# Allegro board FEMA_B40_V0P2.brd (continued)
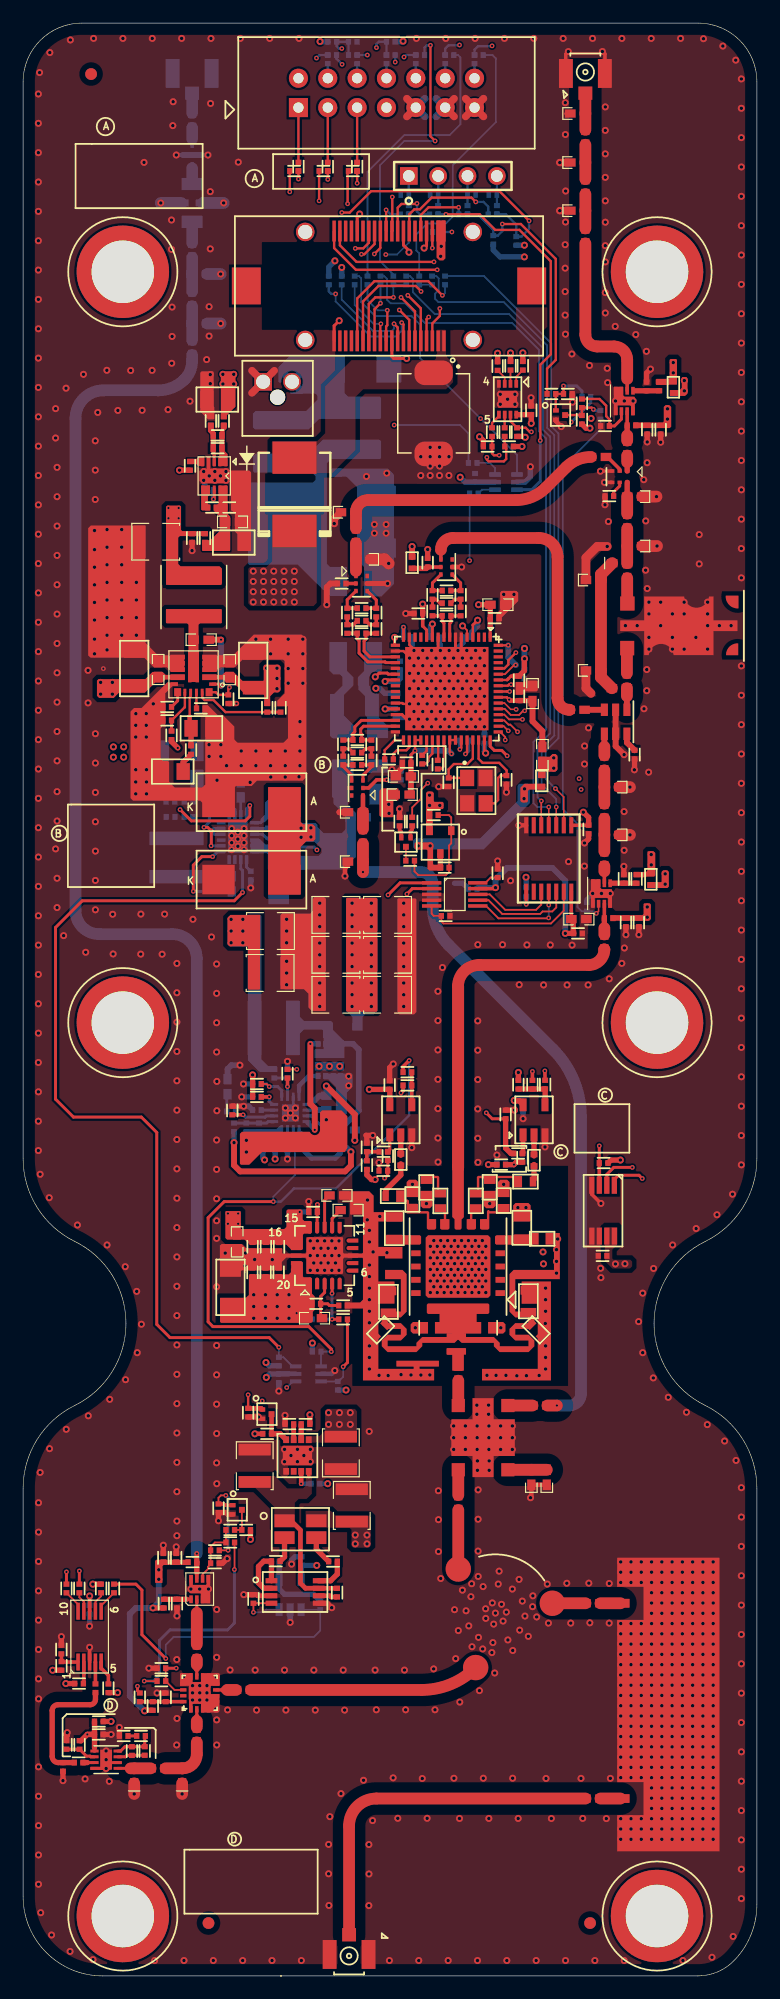
[diagram p0: board, top side]
## Nets (continued)
N6014849: R125.3 R127.1

Pads without a net: J1 17 18 19 26 35 37 38 PC1 PC2 PC3 PC4; J3 2 7; MH1 1; MH2 1; MH3 1; MH4 1; MH5 1; MH6 1; T1 6; T2 6; T3 6; U19 2 3 13 14 24 26 61 62 63; U22 15; U30 2 3; U48 2 5 6 7 9 10 11; U70 1 2 3 4 12 13 14 15; U71 6; U84 6 9

## Via types
v1: diameter 0.406, hole 0.203, TOP to BOTTOM, 158 vias
v2: diameter 0.61, hole 0.305, TOP to BOTTOM, 1490 vias

## Routing (per net, layer and track width the routed paths; a pad name or vN(x,y) marks a point on that pad's centre or on a via; arc(x,y) is an arc through that point)
1.8V_PGOOD: length 75.8
  TOP w0.254: v1(22.13,54.4) 21.29,55.24 12.71,55.24 11.57,56.38 11.57,72.99 10.23,74.33 4.35,74.33 2.81,75.88 2.81,90.73 5.12,93.04 18.27,93.04 v1(18.99,93.76)
  BOTTOM w0.152: U80.6 23.32,52.75 22.52,53.54 R23.2 v1(22.13,54.4)
  BOTTOM w0.254: v1(18.99,93.76) 18.99,95.66 18.83,95.82 U13.18
1V8V_ENABLE: length 62.3
  TOP w0.203: J1.33 30.41,149.88 29.53,149 v1(29.28,149)
  L3-SIG1 w0.203: v1(25.42,97.44) 27.48,99.5 27.48,122.78 26.2,124.05 26.2,126.87 27.45,128.12 27.45,141.1 28.19,141.84 28.19,149.78 28.49,150.09 28.92,150.09 29.28,149.73 v1(29.28,149)
  BOTTOM w0.254: R12.1 25.17,97.69 v1(25.42,97.44)
5V_LDO_EN: length 2.7
  TOP w0.254: U48.14 25.44,66.09 R217.1
  TOP w0.394: v1(25.47,66.75) R217.1
  BOTTOM w0.254: R217.1 v1(25.47,66.75)
5V_LDO_PG: length 7.2
  TOP w0.254: v1(27.7,52.72) 28.07,53.09 R220.2
  BOTTOM w0.152: U80.3 R21.2 27.3,51.45 27.7,51.85 v1(27.7,52.72)
12V_DCDC_PGOOD: length 2.4
  TOP w0.203: v1(17.86,111.51) 17.76,111.41 R210.2 16.9,110.86 16.67,111.09 U47.18
28V_VDS_ENABLE: length 77.1
  TOP w0.152: R18.1 v1(23.68,78.45)
  TOP w0.203: v1(28.75,149.5) 29.43,149.5 29.91,149.99 J1.34
  L3-SIG1 w0.203: v1(23.68,78.45) 23.68,93.79 28.75,98.85 28.75,107.77 27.88,108.63 27.88,140.92 28.75,141.79 v1(28.75,149.5)
GND: length 202.4
  TOP w0.203: 36.45,111.62 36.34,111.51 ; U19.27 32.81,110.15 32.88,110.08 v2(33.44,110.08) ; U19.18 32.92,114.65 33.44,114.13 v2(33.44,114.05) ; v2(33.82,114.71) 33.82,114.8 33.43,115.2 33.43,115.84 U19.15
  TOP w0.254: J1.20 26.91,142.8 v2(27.36,143.25) ; 37.42,112.15 U19.65 35.92,112.15 U19.10 ; 37.42,112.15 U19.7 ; 37.42,112.15 37.92,112.65 U19.6 ; 32.21,113.15 U19.21 ; v2(33.44,108.76) 33.18,108.76 32.79,109.15 U19.29 ; J1.28 32.91,149.78 33.39,149.31 v2(33.39,149.17) ; J1.36 28.91,152.21 29.12,152.42 v2(29.12,152.48) ; R297.2 v2(30.8,70.39) ; v2(33.19,139.98) 32.07,139.98 31.91,140.14 J1.10 ; v2(34.7,149.53) 34.91,149.74 J1.24
  TOP w0.305: U78.3 v2(5.76,28.44) ; v2(47.18,166.54) 46.96,166.32 46.96,164.64 ; v2(50.13,166.54) 50.35,166.32 50.35,164.64 ; 33.37,110.15 v2(33.44,110.08) ; U82.4 49.21,67.64 v2(50,66.85) ; v2(49.96,130.22) 49.97,130.23 U29.3 ; 33.75,114.66 v2(33.82,114.71) ; U29.4 v2(50.31,129.25)
  TOP w0.381: 47.03,161.16 47.04,161.18 D4.1 ; Q2.2 46.11,134.55 46.57,134.08 v2(46.57,134.08) ; U84.7 v2(42.91,99.58)
  TOP w0.394: R217.2 v2(24.72,67.02) ; R59.2 R58.2 43.98,41.45 v2(43.91,41.38) ; 17.55,40.09 17.71,39.94 Q3.2 ; v2(27.85,95.18) 27.85,95.86 28.11,96.11 R107.1 ; T1.5 v2(37.95,121.93)
  TOP w0.406: U72.3 20.31,32.9 20.21,33 R132.2
  TOP w0.457: R72.2 v2(3.31,29.36) ; C122.2 v2(13.25,37.13) ; v2(17.66,36.11) 17.26,35.71 C128.2 ; C50.2 19.08,75.27 v2(19.09,75.26) ; C54.2 53.95,138.72 v2(54.29,139.06) ; C147.2 v2(33.11,117.91) ; v2(47.55,136.2) 47.55,136.6 47.52,136.63 R41.2 ; R132.2 v2(19.1,33) ; C260.1 v2(8.33,21.5) ; C169.2 v2(41.07,96.49) ; C91.2 43.96,135.89 v2(43.96,136.58) ; R53.2 52.92,104.4 v2(52.9,104.38) ; C56.2 v2(55.17,132.73) ; C261.1 v2(7.62,20.9) ; v2(30.26,72.74) 29.68,72.75 29.75,72.67 R274.2 ; C101.2 v2(11.59,24.48) ; C63.2 v2(52.17,90.11) ; C250.2 31.72,78.61 32.03,78.92 v2(32.03,78.92) ; R122.1 v2(32.58,100.99) ; v2(35.96,102.92) 35.97,102.93 C140.1 ; C242.2 v2(14.62,123.34) ; C55.2 v2(54.01,132.75) ; U86.3 v2(33.63,71.68) ; T3.5 v2(31.54,120.5) ; v2(48.58,98.04) 48.94,98.4 C179.2 ; C148.2 32.26,104.02 32.81,104.58 C149.2 ; C139.2 v2(35.01,123.45) ; v2(26.71,31.86) 26.32,32.25 U72.5 ; C62.2 v2(53.29,90.11) ; 17.55,40.09 R104.2 v2(16.91,39.39) ; C144.1 v2(41.82,102.44) ; R295.2 v2(42.53,74.93) ; R97.2 v2(10.88,26.63) ; R35.2 v2(50.35,127.31) ; v2(3.82,21.05) 3.69,20.92 3.82,20.8 3.75,20.73 R308.1 ; C277.2 v2(3.45,16.89) ; R131.2 v2(20.36,48.37) ; R128.2 v2(22.66,48.51) ; C121.2 v2(12.13,37.27) ; C64.2 v2(51.99,96.02) ; C123.2 v2(13.31,31.16)
  TOP w0.508: v2(52.01,105.69) 51.28,106.42 U32.5 U32.2 ; U85.3 v2(45.16,71.74) ; C143.2 26.59,120.5 26.28,120.19 v2(26.28,118.67) ; R106.1 27.38,100.71 27.37,100.71
  TOP w0.635: 37.3,160.91 J3.11 37.3,162.47 ; R36.1 v2(46.44,156.93) ; 19.81,138.93 J2.1 ; J2.1 19.81,137 ; J2.1 21.74,138.93 ; R37.1 v2(46.44,152.77) ; 33.21,162.47 J3.9 33.21,160.91 ; R118.1 26.92,126.09 v2(26.92,125.69) ; 38.29,160.91 J3.13 ; J3.13 38.29,162.47 ; J3.13 39.84,160.91 ; J3.13 39.84,162.47
  TOP w0.762: R364.1 48.71,122.73 49.68,123.71 v2(50.55,123.71) ; R365.1 48.71,111.43 49.14,111
  TOP w1.016: R51.1 v2(52.52,98.75) ; v2(31.63,122.24) 31.28,122.6 R117.1 ; R50.1 v2(54.81,128.02) ; R86.1 v2(9.61,15.75) ; R88.1 v2(13.76,15.75) ; R49.1 v2(54.86,123.74) ; R52.1 v2(52.52,102.88)
  L2-GND1 w0.508: 20.77,141.13 20.57,141.34
  L3-SIG1 w0.635: 33.21,162.47 J3.9 ; J3.9 34.76,160.91 ; J3.9 33.21,160.91 ; J3.9 34.76,162.47 ; 38.29,162.47 J3.13 ; J3.13 39.84,160.91 ; J3.13 38.29,160.91 ; J3.13 39.84,162.47 ; 19.81,138.93 J2.1 ; J2.1 19.81,137 ; J2.1 21.74,138.93 ; J3.11 37.3,162.47 ; J3.11 37.3,160.91 ; J3.11 35.75,162.47 ; J3.11 35.75,160.91
  L4-SIG2 w0.635: 33.99,160.66 J3.9 33.99,162.72 ; 39.84,160.91 J3.13 39.84,162.47 ; 19.81,137 J2.1 ; J2.1 19.81,138.93 ; J2.1 21.74,138.93 ; 36.53,162.72 J3.11 36.53,160.66
  BOTTOM w0.254: U1.11 23.38,75.42 23.56,75.24 v2(23.56,75.11)
  BOTTOM w0.381: D1.A_1 30.73,129.27 ; C68.2 48.78,93.16 v2(49.29,93.67) ; v2(13.25,157.58) D5.2 v2(16,157.58) ; v2(31.54,120.5) 31.47,120.57
  BOTTOM w0.394: U80.2 26.69,52.1 v2(26.97,52.38)
  BOTTOM w0.457: v2(19.09,75.26) 19.53,75.26 C49.2 ; C261.1 v2(7.62,20.9) ; v2(36.11,114.71) 36.11,115.19 36,115.3 C156.2 ; 22.65,99.31 R15.2 ; v2(33.82,114.71) 33.66,114.87 R109.2 ; C19.2 19.64,103.29 v2(19.65,103.29) ; v2(33.44,108.76) 33.3,108.9 C153.2 ; C146.2 38.07,115.37 37.63,114.93 v2(37.63,114.71) ; C249.2 v2(43.27,74.18) ; v2(23.23,35.64) 23.23,35.98 23.53,36.27 C167.2 ; v2(18.91,76.07) R27.2 ; 22.62,100.41 C20.2 ; R272.2 v2(41,71.04) ; v2(43.9,130.61) 43.9,129.73 43.44,129.28 U87.2 ; C168.2 38.05,94.56 37.33,94.56 ; R25.1 v2(19.07,77.19) ; R32.2 v2(22.88,70.69) ; v2(39.92,108.1) C145.2 ; C44.2 v2(22.13,50.61) ; R20.2 v2(22.88,79.15) ; R16.2 v2(19.7,94.16) ; C89.2 v2(5.75,30.26)
  BOTTOM w0.508: 19.6,103.29 v2(19.65,103.29) ; v2(15.63,129.43) 15.72,129.34 C248.2 ; v2(18.76,78.82) 18.02,78.82 17.69,78.49 C52.2 ; v2(16.78,103.48) 17.25,103.48 17.44,103.29 C18.2 ; U73.2 v2(23.11,30.59)
  BOTTOM w0.635: 33.21,160.91 J3.9 ; J3.9 33.21,162.47 ; J3.9 34.76,162.47 ; J3.9 34.76,160.91 ; 39.84,162.47 J3.13 39.84,160.91 ; 35.75,160.91 J3.11 35.75,162.47 ; 19.81,138.93 J2.1 19.81,137
  BOTTOM w1.016: R101.1 v2(17.09,147.29) ; R102.1 v2(17.09,143) ; U89.2 v2(11.91,153.43) ; U89.4 v2(17.35,153.43)
  vias: v1(6.94,113.14) v2(1.32,162.87) v2(1.32,160.33) v2(1.32,157.79) v2(1.32,155.25) v2(1.32,152.71) v2(1.32,150.17) v2(1.32,147.63) v2(1.32,145.09) v2(1.32,142.55) v2(1.32,140.01) v2(1.32,137.47) v2(1.32,134.93) v2(1.32,132.39) v2(1.32,129.85) v2(1.32,127.31) v2(1.32,124.77) v2(1.32,122.23) v2(1.32,119.69) v2(1.32,117.15) v2(1.32,114.61) v2(1.32,112.07) v2(1.32,109.53) v2(1.32,106.99) v2(1.32,104.45) v2(1.32,101.91) v2(1.32,99.37) v2(1.32,96.83) v2(1.32,94.29) v2(1.32,91.75) v2(1.32,89.21) v2(1.32,86.67) v2(1.32,84.13) v2(1.32,81.59) v2(1.32,79.05) v2(1.32,76.51) v2(1.32,73.97) v2(1.32,71.43) v2(1.42,164.72) v2(1.33,40.95) v2(1.33,38.41) v2(1.33,35.87) v2(1.33,33.33) v2(1.33,30.79) v2(1.33,28.25) v2(1.33,25.71) v2(1.34,23.98) v2(1.33,18.09) v2(1.33,15.55) v2(1.33,13.01) v2(1.33,10.47) v2(1.33,7.93) v2(1.47,69.38) v2(1.47,43.57) v2(1.52,5.47) v2(2.31,166.45) v2(2.26,67.34) v2(2.29,45.63) v2(2.46,3.54) v2(2.81,135.63) v2(2.81,133.09) v2(2.81,97.53) v2(2.94,130.55) v2(2.94,128.01) v2(2.94,125.47) v2(2.94,122.93) v2(2.94,120.39) v2(2.94,117.85) v2(2.94,115.31) v2(2.94,112.77) v2(2.94,110.23) v2(2.94,107.69) v2(2.94,105.15) v2(2.94,102.49) v2(2.94,99.95) v2(2.94,94.99) v2(2.94,92.45) v2(3.51,90.03) v2(3.71,137.41) v2(3.73,47.3) v2(4.09,167.54) v2(4.06,2.12) v2(4.7,64.98) v2(5.22,138.6) v2(5.42,88.59) v2(5.36,17.05) v2(5.62,112.99) v2(5.62,110.17) v2(5.64,48.47) v2(6.1,167.67) v2(6.05,1.41) v2(6.18,125.09) v2(6.18,123.43) v2(6.18,121.91) v2(6.18,120.39) v2(6.18,118.86) v2(6.18,117.34) v2(6.18,115.69) v2(6.18,114.42) v2(6.24,132.85) v2(6.24,130.31) v2(6.24,127.77) v2(6.26,107.5) v2(6.26,104.96) v2(6.26,102.42) v2(6.26,99.88) v2(6.26,97.34) v2(6.26,94.8) v2(6.26,92.26) v2(6.46,135.31) v2(7.18,19.47) v2(7.18,18.71) v2(7.18,17.95) v2(7.25,138.96) v2(7.26,125.17) v2(7.26,123.65) v2(7.26,122.12) v2(7.26,120.6) v2(7.26,119.07) v2(7.26,117.55) v2(7.26,116.03) v2(7.26,114.76) v2(7.26,63.26) v2(7.49,49.89) v2(7.46,16.84) v2(7.75,91.88) v2(7.79,88.44) v2(8.2,135.48) v2(8.53,125.17) v2(8.53,123.65) v2(8.53,122.12) v2(8.53,120.6) v2(8.53,119.07) v2(8.53,117.55) v2(8.53,116.03) v2(8.64,167.67) v2(8.84,61.38) v2(8.86,51.6) v2(9.31,138.94) v2(9.8,120.6) v2(9.8,119.07) v2(9.8,117.55) v2(9.8,116.03) v2(9.76,109.24) v2(9.75,108.23) v2(9.75,107.21) v2(9.75,104.39) v2(9.75,103.33) v2(9.75,102.3) v2(9.83,59.24) v2(9.88,53.93) v2(10.19,91.89) v2(10.18,88.43) v2(10.3,135.49) v2(10.24,56.4) v2(10.47,156.95) v2(10.66,109.24) v2(10.66,108.23) v2(10.66,107.21) v2(10.68,104.39) v2(10.68,103.33) v2(10.68,102.3) v2(11.18,167.67) v2(11.16,138.95) v2(11.27,110.09) v2(11.38,1.33) v2(12.03,88.42) v2(12.25,91.89) v2(12.54,135.55) v2(12.84,151.96) v2(12.84,149.42) v2(12.89,144.42) v2(12.89,141.88) v2(12.86,139.56) v2(12.98,162.19) v2(12.95,160.13) v2(13.31,87.62) v2(13.31,85.08) v2(13.31,82.54) v2(13.31,80) v2(13.31,77.46) v2(13.31,74.92) v2(13.31,72.38) v2(13.31,69.84) v2(13.31,67.3) v2(13.31,64.76) v2(13.31,62.22) v2(13.31,59.68) v2(13.31,57.14) v2(13.31,54.6) v2(13.31,52.06) v2(13.31,49.52) v2(13.31,46.98) v2(13.31,44.44) v2(13.31,41.9) v2(13.31,39.36) v2(13.31,38.09) v2(13.3,27.38) v2(13.32,22.28) v2(13.29,19.98) v2(13.72,167.67) v2(13.89,25.9) v2(13.92,1.33) v2(14.44,136.28) v2(14.52,33.48) v2(14.7,91.44) v2(14.66,25.12) v2(14.66,24.49) v2(14.66,23.87) v2(15.28,33.48) v2(15.29,25.12) v2(15.29,24.49) v2(15.29,23.87) v2(15.63,130.19) v2(15.88,139.88) v2(15.91,25.12) v2(15.91,24.49) v2(15.91,23.87) v2(16.1,144.46) v2(16.1,141.92) v2(16.11,129.81) v2(16.09,106.55) v2(16.09,105.54) v2(16.04,33.48) v2(16.22,162.05) v2(16.2,154.41) v2(16.2,149.46) v2(16.2,138.58) v2(16.2,137.8) v2(16.26,167.67) v2(16.3,89.91) v2(16.46,1.33) v2(16.59,130.19) v2(16.59,129.43) v2(16.71,25.88) v2(16.68,23.1) v2(16.75,87.57) v2(16.75,85.03) v2(16.75,82.49) v2(16.75,79.95) v2(16.77,77.41) v2(16.77,74.87) v2(16.75,72.34) v2(16.75,69.8) v2(16.75,67.26) v2(16.75,65.35) v2(16.75,63.83) v2(16.75,59.64) v2(16.75,54.56) v2(16.75,52.02) v2(16.75,49.48) v2(16.75,46.94) v2(16.75,44.4) v2(16.76,42.6) v2(16.75,31.71) v2(16.75,27.57) v2(16.75,22.15) v2(16.76,19.98) v2(17.07,129.81) v2(17.11,106.55) v2(17.11,105.54) v2(17.49,62.55) v2(17.56,130.19) v2(17.56,129.43) v2(17.61,104.74) v2(17.69,23.02) v2(17.91,26.47) v2(18.05,99.29) v2(18.05,98.68) v2(18.05,98.07) v2(18.05,97.46) v2(18.62,156.97) v2(18.58,98.98) v2(18.58,98.37) v2(18.58,97.76) v2(18.8,167.67) v2(18.88,106.01) v2(18.88,104.74) v2(19,1.33) v2(19.12,99.29) v2(19.12,98.68) v2(19.12,98.07) v2(19.12,97.46) v2(19.2,61.44) v2(19.25,62.56) v2(20.04,62) v2(20.08,26.47) v2(20.15,115.68) v2(20.15,106.01) v2(20.15,104.74) v2(20.2,23) v2(21.34,167.67) v2(21.42,115.68) v2(21.42,114.41) v2(21.42,106.01) v2(21.42,104.74) v2(21.43,103.75) v2(21.56,61.99) v2(21.54,1.33) v2(22.62,45.57) v2(22.62,44.5) v2(22.62,26.47) v2(22.69,106.01) v2(22.69,104.74) v2(22.68,103.75) v2(22.7,75.11) v2(22.7,74.24) v2(22.8,91.44) v2(22.8,90.42) v2(22.8,89.41) v2(22.8,87.81) v2(22.8,86.79) v2(22.8,85.78) v2(22.74,23) v2(22.94,115.68) v2(22.94,114.41) v2(22.94,113.14) v2(22.94,111.87) v2(23.13,74.68) v2(23.18,45.03) v2(23.56,74.24) v2(23.74,45.57) v2(23.74,44.5) v2(23.88,167.67) v2(23.88,103.78) v2(23.96,108.55) v2(23.96,107.28) v2(23.96,106.01) v2(23.96,104.74) v2(24.08,1.33) v2(24.21,115.68) v2(24.21,114.41) v2(24.21,113.14) v2(24.21,111.87) v2(24.3,45.03) v2(24.85,63.61) v2(24.85,62.34) v2(24.85,61.06) v2(24.86,45.57) v2(24.86,44.5) v2(25.15,62.97) v2(25.15,61.7) v2(25.16,26.47) v2(25.28,23) v2(25.47,63.61) v2(25.47,62.34) v2(25.47,61.06) v2(25.67,92.84) v2(25.67,91.82) v2(25.67,90.81) v2(25.67,89.38) v2(25.67,88.37) v2(25.67,87.35) v2(25.67,85.93) v2(25.67,84.91) v2(25.67,83.9) v2(25.77,62.97) v2(25.77,61.7) v2(26.09,63.61) v2(26.09,62.34) v2(26.09,61.06) v2(26.4,62.97) v2(26.4,61.7) v2(26.44,11.38) v2(26.44,8.84) v2(26.46,6.1) v2(26.55,13.78) v2(26.71,63.61) v2(26.71,62.34) v2(26.71,61.06) v2(27.03,62.97) v2(27.03,61.7) v2(27.34,63.61) v2(27.34,62.34) v2(27.34,61.06) v2(27.51,15.77) v2(27.7,26.47) v2(27.82,23) v2(28.17,77.85) v2(28.17,77.04) v2(29.46,16.93) v2(29.71,129.77) v2(29.8,67.14) v2(29.78,65.43) v2(29.93,11.37) v2(29.93,8.82) v2(29.92,6.08) v2(29.97,64.52) v2(29.97,63.52) v2(29.97,61.52) v2(29.97,60.52) v2(29.97,59.52) v2(29.97,58.52) v2(29.97,57.52) v2(29.97,56.52) v2(29.97,54.52) v2(29.97,53.52) v2(29.97,52.52) v2(29.95,47.12) v2(30.29,62.65) v2(30.24,13.44) v2(30.4,125.62) v2(30.4,124.85) v2(30.46,26.47) v2(30.56,23.03) v2(30.8,51.97) v2(30.87,65.72) v2(31.41,125.62) v2(31.41,124.85) v2(31.47,130.05) v2(31.49,62.59) v2(31.59,51.95) v2(31.7,1.33) v2(31.92,104.39) v2(32.02,17.14) v2(32.42,13.64) v2(32.71,52.04) v2(32.94,92.84) v2(32.94,91.82) v2(32.94,90.81) v2(32.94,89.38) v2(32.94,88.37) v2(32.94,87.35) v2(32.94,85.93) v2(32.94,84.91) v2(32.94,83.9) v2(33,26.47) v2(33.1,23.03) v2(33.44,112.73) v2(33.44,111.4) v2(33.57,52.01) v2(33.69,68.5) v2(33.82,113.39) v2(33.82,112.07) v2(33.82,110.74) v2(33.82,109.42) v2(33.82,108.1) v2(33.94,56.09) v2(34.04,167.67) v2(34.2,114.05) v2(34.2,112.73) v2(34.2,111.4) v2(34.2,110.08) v2(34.2,108.76) v2(34.24,1.33) v2(34.41,131.47) v2(34.41,129.85) v2(34.42,52) v2(34.59,114.71) v2(34.59,113.39) v2(34.59,112.07) v2(34.59,110.74) v2(34.59,109.42) v2(34.59,108.1) v2(34.54,17.08) v2(34.9,66.84) v2(34.97,114.05) v2(34.97,112.73) v2(34.97,111.4) v2(34.97,110.08) v2(34.97,108.76) v2(34.96,13.64) v2(35.22,132.29) v2(35.22,131.47) v2(35.22,130.66) v2(35.22,129.85) v2(35.2,52.01) v2(35.24,63.14) v2(35.24,62.14) v2(35.24,61.14) v2(35.24,60.14) v2(35.24,59.14) v2(35.35,114.71) v2(35.35,113.39) v2(35.35,112.07) v2(35.35,110.74) v2(35.35,109.42) v2(35.35,108.1) v2(35.53,26.57) v2(35.54,63.64) v2(35.54,62.64) v2(35.54,61.64) v2(35.54,60.64) v2(35.54,59.64) v2(35.73,114.05) v2(35.73,112.73) v2(35.73,111.4) v2(35.73,110.08) v2(35.73,108.76) v2(35.64,23.03) v2(35.9,85.21) v2(35.9,82.67) v2(35.9,80.13) v2(35.9,77.59) v2(35.9,75.05) v2(35.9,72.51) v2(35.91,70.43) v2(35.84,63.14) v2(35.84,62.14) v2(35.84,61.14) v2(35.84,60.14) v2(35.84,59.14) v2(35.94,41.99) v2(35.94,39.48) v2(35.94,36.72) v2(36.04,132.29) v2(36.04,131.47) v2(36.04,130.66) v2(36.04,129.85) v2(36.11,113.39) v2(36.11,112.07) v2(36.11,110.74) v2(36.11,109.42) v2(36.11,108.1) v2(36.14,63.64) v2(36.14,62.64) v2(36.14,61.64) v2(36.14,60.64) v2(36.14,59.64) v2(36.14,34.39) v2(36.29,87.27) v2(36.49,114.05) v2(36.49,112.73) v2(36.49,111.4) v2(36.49,110.08) v2(36.49,108.76) v2(36.44,63.14) v2(36.44,62.14) v2(36.44,61.14) v2(36.44,60.14) v2(36.44,59.14) v2(36.58,167.67) v2(36.74,63.64) v2(36.74,62.64) v2(36.74,61.64) v2(36.74,60.64) v2(36.74,59.64) v2(36.78,1.33) v2(36.85,131.47) v2(36.85,129.85) v2(36.87,114.71) v2(36.87,113.39) v2(36.87,112.07) v2(36.87,110.74) v2(36.87,109.42) v2(36.87,108.1) v2(37.04,63.14) v2(37.04,62.14) v2(37.04,61.14) v2(37.04,60.14) v2(37.04,59.14) v2(37.25,114.05) v2(37.25,112.73) v2(37.25,111.4) v2(37.25,110.08) v2(37.25,108.76) v2(37.26,47.59) v2(37.26,46.58) v2(37.26,45.56) v2(37.28,17.11) v2(37.34,63.64) v2(37.34,62.64) v2(37.34,61.64) v2(37.34,60.64) v2(37.34,59.64) v2(37.34,31.69) v2(37.43,27.46) v2(37.63,113.39) v2(37.63,112.07) v2(37.63,110.74) v2(37.63,109.42) v2(37.63,108.1) v2(37.64,63.14) v2(37.64,62.14) v2(37.64,61.14) v2(37.64,60.14) v2(37.64,59.14) v2(37.66,29.88) v2(37.79,23.7) v2(37.76,13.63) v2(38.01,114.05) v2(38.01,112.73) v2(38.01,111.4) v2(38.01,110.08) v2(38.01,108.76) v2(37.94,63.64) v2(37.94,62.64) v2(37.94,61.64) v2(37.94,60.64) v2(37.94,59.64) v2(38.01,33.38) v2(38.24,63.14) v2(38.24,62.14) v2(38.24,61.14) v2(38.24,60.14) v2(38.24,59.14) v2(38.27,47.59) v2(38.27,46.58) v2(38.27,45.56) v2(38.33,31.6) v2(38.4,114.71) v2(38.4,113.39) v2(38.4,112.07) v2(38.4,110.74) v2(38.4,109.42) v2(38.4,108.1) v2(38.54,63.64) v2(38.54,62.64) v2(38.54,61.64) v2(38.54,60.64) v2(38.54,59.64) v2(38.57,30.29) v2(38.78,114.05) v2(38.78,112.73) v2(38.78,111.4) v2(38.78,110.08) v2(38.78,108.76) v2(38.81,33.94) v2(38.75,32.82) v2(38.84,63.14) v2(38.84,62.14) v2(38.84,61.14) v2(38.84,60.14) v2(38.84,59.14) v2(38.85,28.49) v2(39.12,167.67) v2(39.16,114.71) v2(39.16,113.39) v2(39.16,112.07) v2(39.16,110.74) v2(39.16,109.42) v2(39.16,108.1) v2(39.14,63.64) v2(39.14,62.64) v2(39.14,61.64) v2(39.14,60.64) v2(39.14,59.64) v2(39.27,49.39) v2(39.27,48.61) v2(39.29,47.59) v2(39.29,46.58) v2(39.29,45.56) v2(39.32,44.57) v2(39.32,43.76) v2(39.32,1.33) v2(39.35,89.25) v2(39.35,82.65) v2(39.35,80.11) v2(39.35,77.57) v2(39.35,75.03) v2(39.35,72.49) v2(39.36,70.41) v2(39.38,42.06) v2(39.38,39.52) v2(39.38,36.76) v2(39.38,34.57) v2(39.41,29.3) v2(39.44,63.14) v2(39.44,62.14) v2(39.44,61.14) v2(39.44,60.14) v2(39.44,59.14) v2(39.49,24.69) v2(39.54,114.05) v2(39.54,112.73) v2(39.54,111.4) v2(39.54,110.08) v2(39.54,108.76) v2(39.74,63.64) v2(39.74,62.64) v2(39.74,61.64) v2(39.74,60.64) v2(39.74,59.64) v2(39.81,33.69) v2(39.77,28.3) v2(39.82,17.11) v2(39.92,114.71) v2(39.92,113.39) v2(39.92,112.07) v2(39.92,110.74) v2(39.92,109.42) v2(40.03,31.77) v2(40.04,63.14) v2(40.04,62.14) v2(40.04,61.14) v2(40.04,60.14) v2(40.04,59.14) v2(40.04,30.94) v2(40.14,51.98) v2(40.28,49.39) v2(40.28,48.61) v2(40.31,47.59) v2(40.31,46.58) v2(40.31,45.56) v2(40.33,44.57) v2(40.33,43.76) v2(40.3,13.63) v2(40.38,66.84) v2(40.6,32.28) v2(40.57,27.98) v2(40.72,30.44) v2(40.66,28.84) v2(40.81,26.21) v2(40.93,51.97) v2(40.87,31.4) v2(41.12,33.91) v2(41.19,35.03) v2(41.29,136.88) v2(41.29,136.02) v2(41.32,47.59) v2(41.32,46.58) v2(41.32,45.56) v2(41.34,56.09) v2(41.4,32.16) v2(41.49,89.25) v2(41.59,119.56) v2(41.59,68.5) v2(41.53,30.71) v2(41.66,167.67) v2(41.78,51.97) v2(41.82,31.48) v2(41.93,136.45) v2(41.86,1.33) v2(41.95,29.07) v2(42.18,94.78) v2(42.34,47.59) v2(42.34,46.58) v2(42.34,45.56) v2(42.34,33.48) v2(42.37,28.16) v2(42.36,17.11) v2(42.48,119.56) v2(42.56,136.88) v2(42.56,136.02) v2(42.73,51.94) v2(42.82,66.49) v2(42.93,85.78) v2(42.92,34.32) v2(42.84,13.63) v2(42.97,29.92) v2(43.2,32.44) v2(43.43,31.14) v2(43.52,66.49) v2(43.6,89.23) v2(43.56,51.94) v2(43.72,29.39) v2(44.11,32.89) v2(44.09,31.95) v2(44.2,167.67) v2(44.4,1.33) v2(44.44,31.06) v2(44.66,51.96) v2(44.99,62.65) v2(45.03,61.62) v2(45.04,85.76) v2(45.21,59.52) v2(45.21,58.52) v2(45.21,57.52) v2(45.19,56.46) v2(45.21,54.52) v2(45.21,53.52) v2(45.21,52.52) v2(45.25,17.09) v2(45.36,33.91) v2(45.46,30.53) v2(45.62,89.22) v2(45.72,13.62) v2(46.74,167.67) v2(46.92,162.11) v2(46.93,159.36) v2(46.91,149.83) v2(46.91,147.79) v2(46.91,145.76) v2(46.91,143.73) v2(46.93,142.08) v2(46.95,154.47) v2(46.94,151.78) v2(46.94,1.33) v2(47.07,85.76) v2(47.05,33.98) v2(47.2,96.43) v2(47.39,30.53) v2(47.49,140.36) v2(47.51,89.21) v2(48.28,17.09) v2(48.43,13.63) v2(48.59,106.44) v2(48.58,104.88) v2(48.57,96.04) v2(48.93,108.01) v2(48.9,85.76) v2(49.01,139.37) v2(48.96,33.99) v2(49.04,30.56) v2(49.28,167.67) v2(49.48,1.33) v2(49.98,61.24) v2(50,60.43) v2(50.05,93.67) v2(50.38,161.75) v2(50.38,159.72) v2(50.38,157.68) v2(50.38,155.65) v2(50.38,153.62) v2(50.38,151.77) v2(50.38,149.74) v2(50.38,148.34) v2(50.38,145.68) v2(50.38,143.92) v2(50.47,13.61) v2(50.55,139.13) v2(50.58,137.89) v2(50.65,125.87) v2(50.72,86.29) v2(50.72,33.96) v2(50.72,30.53) v2(50.81,93.67) v2(50.82,17.09) v2(51.24,142.76) v2(51.26,136.3) v2(51.72,35.83) v2(51.72,34.94) v2(51.72,34.05) v2(51.72,30.49) v2(51.72,29.6) v2(51.72,28.71) v2(51.72,27.83) v2(51.72,26.94) v2(51.72,26.05) v2(51.72,25.16) v2(51.72,24.27) v2(51.72,23.38) v2(51.72,22.49) v2(51.72,21.6) v2(51.72,20.71) v2(51.72,19.82) v2(51.72,18.94) v2(51.72,18.05) v2(51.72,17.16) v2(51.72,13.6) v2(51.72,12.71) v2(51.72,11.82) v2(51.82,167.67) v2(51.81,87.63) v2(52.03,136.3) v2(52.01,100.76) v2(52.01,97.41) v2(52.02,1.33) v2(52.12,116.85) v2(52.03,88.96) v2(52.61,35.83) v2(52.61,34.94) v2(52.61,34.05) v2(52.61,30.49) v2(52.61,29.6) v2(52.61,28.71) v2(52.61,27.83) v2(52.61,26.94) v2(52.61,26.05) v2(52.61,25.16) v2(52.61,24.27) v2(52.61,23.38) v2(52.61,22.49) v2(52.61,21.6) v2(52.61,20.71) v2(52.61,19.82) v2(52.61,18.94) v2(52.61,18.05) v2(52.61,17.16) v2(52.61,13.6) v2(52.61,12.71) v2(52.61,11.82) v2(52.79,136.3) v2(53.02,142.05) v2(53.14,116.85) v2(53.26,56.63) v2(53.49,35.83) v2(53.49,34.94) v2(53.49,34.05) v2(53.49,30.49) v2(53.49,29.6) v2(53.49,28.71) v2(53.49,27.83) v2(53.49,26.94) v2(53.49,26.05) v2(53.49,25.16) v2(53.49,24.27) v2(53.49,23.38) v2(53.49,22.49) v2(53.49,21.6) v2(53.49,20.71) v2(53.49,19.82) v2(53.49,18.94) v2(53.49,18.05) v2(53.49,17.16) v2(53.49,13.6) v2(53.49,12.71) v2(53.49,11.82) v2(53.62,59.09) v2(53.62,53.93) v2(53.71,129.48) v2(53.73,109.66) v2(53.88,125.92) v2(53.87,121.65) v2(53.94,140.59) v2(54,130.95) v2(54.01,120.07) v2(53.97,113.06) v2(53.97,111.23) v2(54.13,104.17) v2(54.16,118.89) v2(54.16,117.87) v2(54.16,115.84) v2(54.16,114.82) v2(54.36,167.67) v2(54.38,35.83) v2(54.38,34.94) v2(54.38,34.05) v2(54.38,33.16) v2(54.38,32.27) v2(54.38,31.38) v2(54.38,30.49) v2(54.38,29.6) v2(54.38,28.71) v2(54.38,27.83) v2(54.38,26.94) v2(54.38,26.05) v2(54.38,25.16) v2(54.38,24.27) v2(54.38,23.38) v2(54.38,22.49) v2(54.38,21.6) v2(54.38,20.71) v2(54.38,19.82) v2(54.38,18.94) v2(54.38,18.05) v2(54.38,17.16) v2(54.38,16.27) v2(54.38,15.38) v2(54.38,14.49) v2(54.38,13.6) v2(54.38,12.71) v2(54.38,11.82) v2(54.56,61.22) v2(54.53,51.75) v2(55.17,118.89) v2(55.17,116.85) v2(55.27,35.83) v2(55.27,34.94) v2(55.27,34.05) v2(55.27,33.16) v2(55.27,32.27) v2(55.27,31.38) v2(55.27,30.49) v2(55.27,29.6) v2(55.27,28.71) v2(55.27,27.83) v2(55.27,26.94) v2(55.27,26.05) v2(55.27,25.16) v2(55.27,24.27) v2(55.27,23.38) v2(55.27,22.49) v2(55.27,21.6) v2(55.27,20.71) v2(55.27,19.82) v2(55.27,18.94) v2(55.27,18.05) v2(55.27,17.16) v2(55.27,16.27) v2(55.27,15.38) v2(55.27,14.49) v2(55.27,13.6) v2(55.27,12.71) v2(55.27,11.82) v2(55.83,50.07) v2(56.19,117.87) v2(56.19,115.84) v2(56.19,114.82) v2(56.21,63.26) v2(56.16,35.83) v2(56.16,34.94) v2(56.16,34.05) v2(56.16,33.16) v2(56.16,32.27) v2(56.16,31.38) v2(56.16,30.49) v2(56.16,29.6) v2(56.16,28.71) v2(56.16,27.83) v2(56.16,26.94) v2(56.16,26.05) v2(56.16,25.16) v2(56.16,24.27) v2(56.16,23.38) v2(56.16,22.49) v2(56.16,21.6) v2(56.16,20.71) v2(56.16,19.82) v2(56.16,18.94) v2(56.16,18.05) v2(56.16,17.16) v2(56.16,16.27) v2(56.16,15.38) v2(56.16,14.49) v2(56.16,13.6) v2(56.16,12.71) v2(56.16,11.82) v2(56.9,167.67) v2(57.05,35.83) v2(57.05,34.94) v2(57.05,34.05) v2(57.05,33.16) v2(57.05,32.27) v2(57.05,31.38) v2(57.05,30.49) v2(57.05,29.6) v2(57.05,28.71) v2(57.05,27.83) v2(57.05,26.94) v2(57.05,26.05) v2(57.05,25.16) v2(57.05,24.27) v2(57.05,23.38) v2(57.05,22.49) v2(57.05,21.6) v2(57.05,20.71) v2(57.05,19.82) v2(57.05,18.94) v2(57.05,18.05) v2(57.05,17.16) v2(57.05,16.27) v2(57.05,15.38) v2(57.05,14.49) v2(57.05,13.6) v2(57.05,12.71) v2(57.05,11.82) v2(57.1,1.33) v2(57.2,118.89) v2(57.2,117.87) v2(57.2,114.82) v2(57.4,48.78) v2(57.94,35.83) v2(57.94,34.94) v2(57.94,34.05) v2(57.94,33.16) v2(57.94,32.27) v2(57.94,31.38) v2(57.94,30.49) v2(57.94,29.6) v2(57.94,28.71) v2(57.94,27.83) v2(57.94,26.94) v2(57.94,26.05) v2(57.94,25.16) v2(57.94,24.27) v2(57.94,23.38) v2(57.94,22.49) v2(57.94,21.6) v2(57.94,20.71) v2(57.94,19.82) v2(57.94,18.94) v2(57.94,18.05) v2(57.94,17.16) v2(57.94,16.27) v2(57.94,15.38) v2(57.94,14.49) v2(57.94,13.6) v2(57.94,12.71) v2(57.94,11.82) v2(58.22,115.84) v2(58.24,64.68) v2(58.51,124.73) v2(58.51,122.19) v2(58.83,35.83) v2(58.83,34.94) v2(58.83,34.05) v2(58.83,33.16) v2(58.83,32.27) v2(58.83,31.38) v2(58.83,30.49) v2(58.83,29.6) v2(58.83,28.71) v2(58.83,27.83) v2(58.83,26.94) v2(58.83,26.05) v2(58.83,25.16) v2(58.83,24.27) v2(58.83,23.38) v2(58.83,22.49) v2(58.83,21.6) v2(58.83,20.71) v2(58.83,19.82) v2(58.83,18.94) v2(58.83,18.05) v2(58.83,17.16) v2(58.83,16.27) v2(58.83,15.38) v2(58.83,14.49) v2(58.83,13.6) v2(58.83,12.71) v2(58.83,11.82) v2(58.88,167.65) v2(59.21,47.71) v2(59.24,118.89) v2(59.24,117.87) v2(59.24,116.85) v2(59.24,114.82) v2(59.61,1.61) v2(59.72,35.83) v2(59.72,34.94) v2(59.72,34.05) v2(59.72,33.16) v2(59.72,32.27) v2(59.72,31.38) v2(59.72,30.49) v2(59.72,29.6) v2(59.72,28.71) v2(59.72,27.83) v2(59.72,26.94) v2(59.72,26.05) v2(59.72,25.16) v2(59.72,24.27) v2(59.72,23.38) v2(59.72,22.49) v2(59.72,21.6) v2(59.72,20.71) v2(59.72,19.82) v2(59.72,18.94) v2(59.72,18.05) v2(59.72,17.16) v2(59.72,16.27) v2(59.72,15.38) v2(59.72,14.49) v2(59.72,13.6) v2(59.72,12.71) v2(59.72,11.82) v2(60.05,65.87) v2(60.25,116.85) v2(60.55,167.01) v2(60.71,46.29) v2(61.27,116.85) v2(61.39,67.65) v2(61.44,3.41) v2(61.67,165.8) v2(61.7,44.61) v2(62.15,164.17) v2(62.15,161.63) v2(62.15,159.09) v2(62.15,156.55) v2(62.15,154.01) v2(62.15,151.47) v2(62.15,148.93) v2(62.15,146.39) v2(62.15,143.85) v2(62.15,141.31) v2(62.15,138.77) v2(62.15,136.23) v2(62.15,133.69) v2(62.15,131.15) v2(62.15,128.61) v2(62.15,126.07) v2(62.15,123.53) v2(62.15,120.99) v2(62.15,113.37) v2(62.15,110.83) v2(62.15,108.29) v2(62.15,105.75) v2(62.15,103.21) v2(62.15,100.67) v2(62.15,98.13) v2(62.15,95.59) v2(62.15,93.05) v2(62.15,90.51) v2(62.15,87.97) v2(62.15,85.43) v2(62.15,82.89) v2(62.15,80.35) v2(62.15,77.81) v2(62.15,75.27) v2(62.15,72.73) v2(62.15,70.19) v2(62.15,42.25) v2(62.15,39.71) v2(62.15,37.17) v2(62.15,34.63) v2(62.15,32.09) v2(62.15,29.55) v2(62.15,27.01) v2(62.15,24.47) v2(62.15,21.93) v2(62.15,19.39) v2(62.15,16.85) v2(62.15,14.31) v2(62.15,11.77) v2(62.15,9.23) v2(62.15,6.69)
